# Altium PCB Motherboard PCB.PcbDoc (part 3 of 3)
Units mm, origin at the board's own origin, x right, y up, seen from the top; angles counter-clockwise.
Board outline 224.71 x 151.45 mm, 4 copper layers (Top Layer 1, Top Layer, Bottom Layer, Bottom Layer 1), stack 0.812 mm thick; 63 components, 127 nets, 504 pads, 652 vias.
Unrouted connection lines stored in the file: 1.
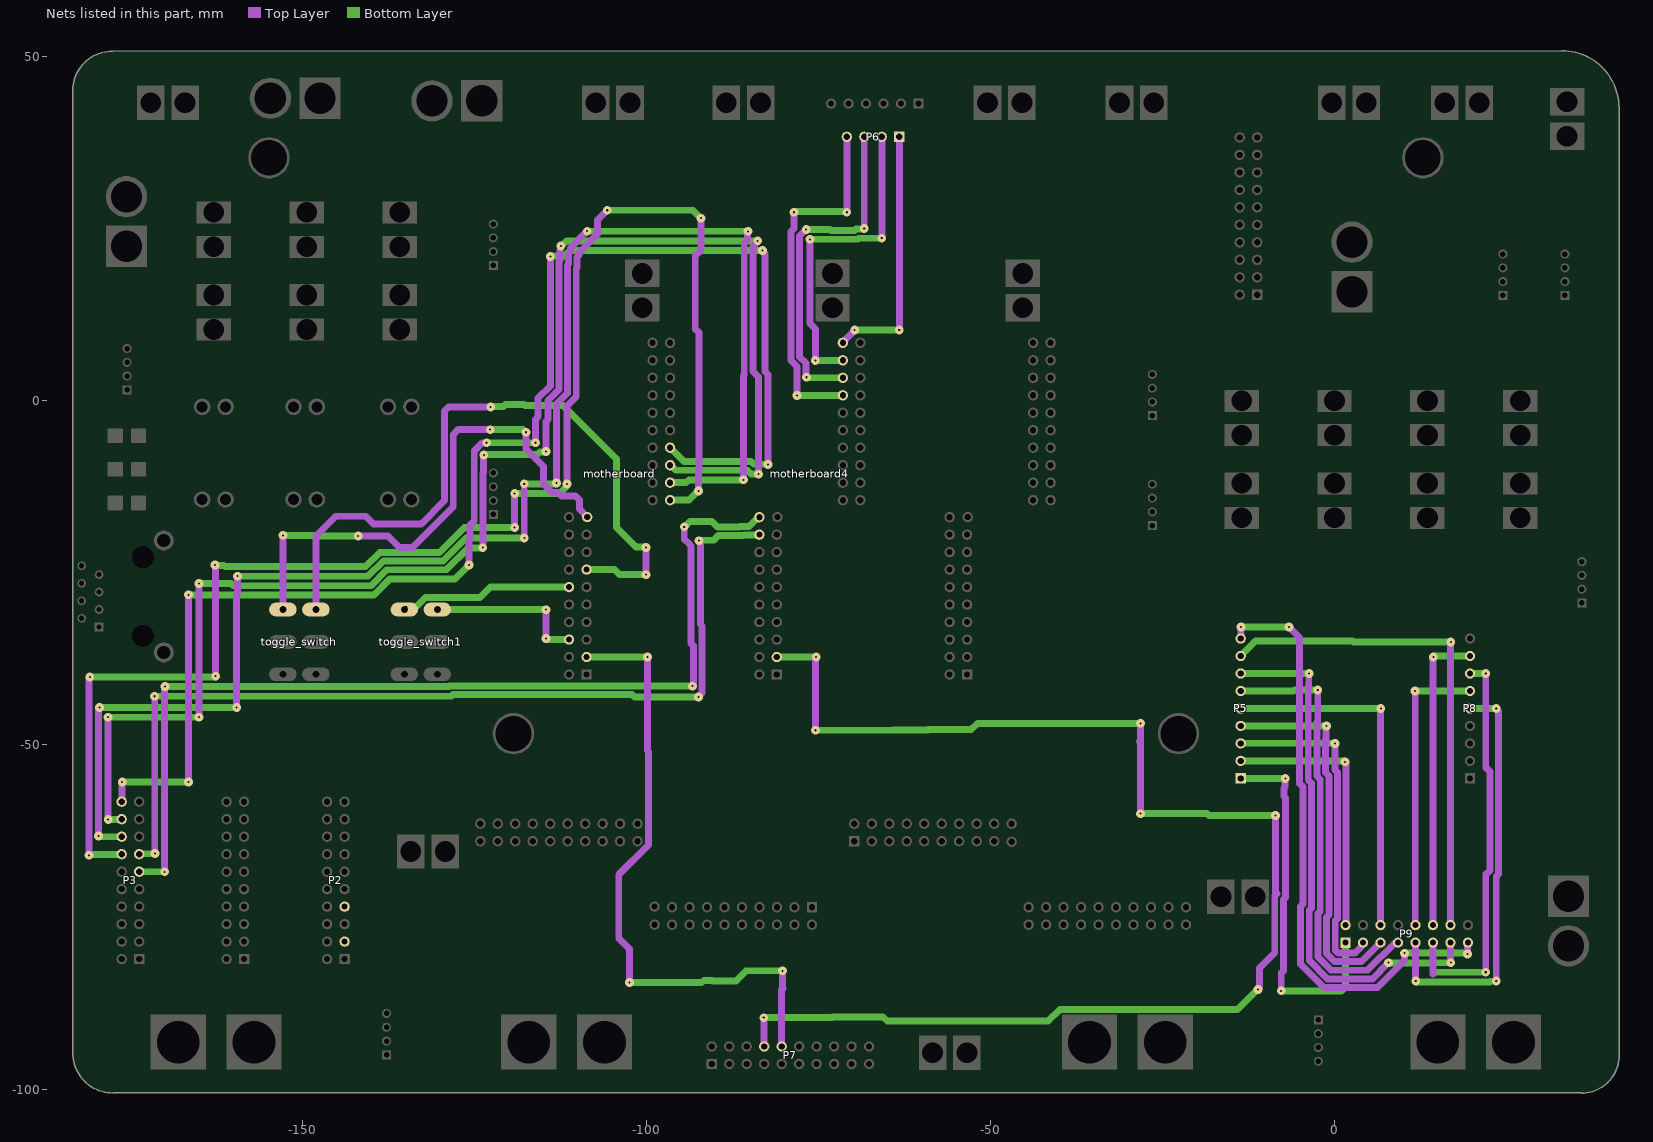
[diagram p5: the nets of this part, all layers, seen from the top]

## Via types
v1: diameter 1.27, hole 0.3, Top Layer to Bottom Layer, 501 vias
v2: diameter 1.27, hole 0.711, Top Layer 1 to Bottom Layer 1, 149 vias
v3: diameter 1.27, hole 0.3, Top Layer 1 to Bottom Layer 1, 2 vias

## Nets (pads, with @x,y where several pads share a name; then routed paths per layer and width w, separated by ;. In a path a pad name is that pad's centre, name@x,y a point inside that pad or via, vN(x,y) a via of type N, cw(c..) or ccw(c..) an arc to the next point about the centre after c; other vN are vias at no path point) (continued)
Netmotherboard4_3: motherboard4.3 P7.8 | length 201.9
  Top Layer w1: v1(-82.931,-89.622) -82.899,-89.654 -82.899,-93.783 P7.8@-82.867,-93.815 ; v1(-75.423,-47.871) -75.423,-37.396 -75.311,-37.284 v1(-75.311,-37.211) ; v1(-28.202,-59.985) -28.202,-49.626 -28.33,-49.498 -28.202,-49.37 v1(-28.202,-46.863) ; v1(-11.127,-85.53) -11.127,-85.456 -10.922,-85.251 -10.922,-82.423 -8.682,-80.183 -8.682,-71.923 -8.382,-71.623 -8.58,-71.425 v1(-8.58,-60.254)
  Bottom Layer w1: v1(-82.931,-89.622) -73.044,-89.622 -72.965,-89.543 -65.578,-89.543 -64.983,-90.138 -41.624,-90.138 -39.912,-88.426 -38.154,-88.426 -14.097,-88.426 -11.2,-85.53 v1(-11.127,-85.53) ; motherboard4.3@-81.224,-37.211 v1(-75.311,-37.211) ; v1(-75.423,-47.871) -64.123,-47.871 -64.066,-47.814 -59.092,-47.814 -59.062,-47.784 -52.809,-47.784 -51.896,-46.871 -28.21,-46.871 v1(-28.202,-46.863) ; v1(-28.202,-59.985) -18.525,-59.985 -18.256,-60.254 v1(-8.58,-60.254)
Netmotherboard4_18: motherboard4.18 P3.13 | length 136.7
  Top Layer w1: v1(-171.45,-42.926) -171.408,-42.968 -171.408,-65.726 v1(-171.366,-65.768) ; v1(-92.4,-43.035) -92.4,-42.962 -91.9,-42.462 -91.9,-32.709 -92.138,-32.471 -92.138,-20.584 -92.329,-20.393 v1(-92.329,-20.32)
  Bottom Layer w1: P3.13@-173.672,-65.875 -173.617,-65.82 -171.418,-65.82 v1(-171.366,-65.768) ; v1(-171.45,-42.926) -128.291,-42.926 -128.059,-42.694 -102.038,-42.694 -101.697,-43.035 v1(-92.4,-43.035) ; v1(-92.329,-20.32) -92.277,-20.268 -90.23,-20.268 -89.54,-19.578 -85.892,-19.578 -85.819,-19.505 -83.674,-19.505 motherboard4.18@-83.619,-19.45
Netmotherboard4_20: motherboard4.20 P3.11 | length 143.1
  Top Layer w1: v1(-169.977,-68.435) -169.977,-41.58 v1(-169.926,-41.529) ; v1(-94.485,-18.319) -94.485,-20.078 -93.729,-20.835 -93.729,-20.885 -93.488,-21.125 -93.488,-35.263 -93.154,-35.597 -93.154,-41.134 -93.237,-41.217 -93.237,-41.408 v1(-93.289,-41.459)
  Bottom Layer w1: P3.11@-173.672,-68.415 -173.662,-68.425 -169.987,-68.425 v1(-169.977,-68.435) ; v1(-169.926,-41.529) -128.667,-41.529 -128.578,-41.44 -93.308,-41.44 v1(-93.289,-41.459) ; v1(-94.485,-18.319) -94.458,-18.319 -93.652,-17.513 -90.438,-17.513 -89.627,-18.324 -86.412,-18.324 -86.338,-18.251 -85.046,-18.251 motherboard4.20@-83.704,-16.91
Netmotherboard4_34: motherboard4.34 P6.4 | length 52.5
  Top Layer w1: v1(-78.534,27.393) -78.534,25.023 -78.962,24.595 -78.962,5.827 -78.105,4.97 v1(-78.105,0.762) ; v1(-70.866,27.393) -70.835,27.423 P6.4@-70.835,38.354
  Bottom Layer w1: v1(-78.534,27.393) -78.461,27.393 -78.326,27.528 -71.192,27.528 -71.109,27.445 -70.918,27.445 v1(-70.866,27.393) ; v1(-78.105,0.762) motherboard4.34@-71.475,0.762
Netmotherboard4_36: motherboard4.36 P6.3 | length 49.5
  Top Layer w1: v1(-76.764,24.885) -76.764,24.881 -77.708,23.938 -77.708,6.347 -76.819,5.458 -76.819,5.267 -76.768,5.215 -76.768,3.473 v1(-76.716,3.421) ; v1(-68.326,25.019) P6.3@-68.326,38.354
  Bottom Layer w1: v1(-76.764,24.885) -73.29,24.885 -73.155,24.75 -69.771,24.75 -69.554,24.967 -68.378,24.967 v1(-68.326,25.019) ; v1(-76.716,3.421) -76.643,3.421 -76.562,3.34 motherboard4.36@-71.437,3.34
Netmotherboard4_38: motherboard4.38 P6.2 | length 47.1
  Top Layer w1: v1(-76.22,23.462) -76.22,11.216 -75.43,10.427 v1(-75.43,5.842) ; v1(-65.786,23.622) -65.771,23.637 P6.2@-65.771,38.354
  Bottom Layer w1: v1(-76.22,23.462) -69.286,23.462 -69.126,23.622 v1(-65.786,23.622) ; v1(-75.43,5.842) motherboard4.38@-71.475,5.842
Netmotherboard4_40: motherboard4.40 P6.1 | length 37.1
  Top Layer w1: motherboard4.40@-71.264,8.573 -71.314,8.623 -69.723,10.214 v1(-69.723,10.287) ; v1(-63.246,10.287) -63.231,10.302 -63.231,38.354 P6.1@-63.231,38.481
  Bottom Layer w1: v1(-69.723,10.287) v1(-63.246,10.287)
Netmotherboard_3: motherboard.3 P7.10 | length 92.8
  Top Layer w1: v1(-102.436,-84.529) -102.436,-79.618 -104.005,-78.049 -104.005,-68.864 -99.694,-64.553 -99.694,-50.99 -99.829,-50.855 v1(-99.829,-37.219) ; P7.10@-80.327,-93.815 -80.327,-85.59 -80.137,-85.4 -80.197,-85.34 v1(-80.197,-82.82)
  Bottom Layer w1: motherboard.3@-108.657,-37.211 -108.648,-37.22 -99.831,-37.22 v1(-99.829,-37.219) ; v1(-102.436,-84.529) -91.962,-84.529 -91.634,-84.201 -90.484,-84.201 -90.373,-84.312 -86.979,-84.312 -85.487,-82.82 v1(-80.197,-82.82)
Netmotherboard_6: motherboard.6 toggle_switch1.4 | length 23.5
  Top Layer w1: v1@-114.554,-34.671 v1(-114.554,-34.544) v1(-114.554,-30.353)
  Bottom Layer w1: toggle_switch1.4@-130.353,-30.334 -114.573,-30.334 v1(-114.554,-30.353) ; v1(-114.554,-34.544) -114.481,-34.544 -114.335,-34.69 motherboard.6@-111.216,-34.69
Netmotherboard_12: motherboard.12 toggle_switch1.1 | length 25.5
  Top Layer w1: toggle_switch1.1@-135.153,-30.334 -135.153,-30.248 v1(-134.874,-29.969)
  Bottom Layer w1: v1(-134.874,-29.969) -134.7,-30.143 -133.691,-30.143 -133.267,-29.719 -133.219,-29.719 -132.08,-28.58 -124.163,-28.58 -122.653,-27.07 motherboard.12@-111.216,-27.07
Netmotherboard_13: motherboard.13 toggle_switch.4 | length 102.5
  Top Layer w1: toggle_switch.4@-147.993,-30.334 -147.993,-19.681 -145.086,-16.774 -140.78,-16.774 -139.661,-17.893 -132.686,-17.893 -129.294,-14.501 -129.294,-1.475 -128.708,-0.889 v1(-122.611,-0.889) ; v1(-100.028,-25.265) -100.028,-21.326 v1(-100.021,-21.319)
  Bottom Layer w1: v1(-122.611,-0.889) -122.559,-0.837 -120.761,-0.837 -120.463,-0.54 -117.764,-0.54 -117.629,-0.675 -112.11,-0.675 -104.35,-8.435 -104.35,-18.408 -101.49,-21.268 -100.073,-21.268 v1(-100.021,-21.319) ; motherboard.13@-108.676,-24.53 -104.621,-24.53 -103.886,-25.265 v1(-100.028,-25.265)
Netmotherboard_19: motherboard.19 toggle_switch.1 | length 77.9
  Top Layer w1: toggle_switch.1@-152.793,-30.334 -152.787,-30.328 -152.787,-19.558 v1(-152.781,-19.552) ; v1(-141.854,-19.663) -137.528,-19.663 -135.869,-21.322 -133.979,-21.322 -128.04,-15.383 -128.04,-4.912 -127.319,-4.191 v1(-122.682,-4.191) ; v1(-117.475,-4.572) -117.475,-6.985 -114.943,-9.517 -114.943,-12.057 -113.681,-13.319 -112.86,-13.319 -112.336,-13.843 -110.309,-13.843 -109.723,-14.429 -109.723,-15.719 -108.584,-16.858 motherboard.19@-108.584,-16.898
  Bottom Layer w1: v1(-152.781,-19.552) -147.799,-19.552 -147.688,-19.663 v1(-141.854,-19.663) ; v1(-122.682,-4.191) -117.929,-4.191 -117.548,-4.572 v1(-117.475,-4.572)
Netmotherboard_21: motherboard.21 P3.14 | length 225.9
  Top Layer w1: v1(-180.975,-66.04) -180.975,-40.332 -180.848,-40.205 v1(-180.848,-40.132) ; v1(-162.658,-23.862) -162.658,-23.935 -162.56,-24.033 v1@-162.56,-40.13 ; v1(-119.126,-13.462) -119.122,-13.466 -119.122,-18.411 v1(-119.118,-18.415) ; v1(-111.515,-12.091) -111.515,-0.76 -110.173,0.581 -110.173,19.209 -110.038,19.344 -110.038,20.895 -109.768,21.165 -109.768,21.491 -107.061,24.198 -107.061,26.289 v1(-105.664,27.686) ; v1(-92.397,-13.097) -92.397,-10.514 -92.345,-10.462 -92.345,9.895 -92.885,10.435 -92.885,21.021 -92.04,21.866 v1(-92.04,26.529)
  Bottom Layer w1: v1(-180.975,-66.04) -180.902,-66.04 -180.756,-65.894 -176.443,-65.894 -176.424,-65.875 P3.14@-176.212,-65.875 ; v1(-180.848,-40.132) v1@-162.56,-40.132 ; v1(-162.658,-23.862) -162.606,-23.914 -161.386,-23.914 -161.199,-24.1 -140.78,-24.1 -138.716,-22.036 -130.058,-22.036 -126.437,-18.415 v1(-119.118,-18.415) ; v1(-119.126,-13.462) -112.598,-13.462 -111.566,-12.431 -111.566,-12.143 v1(-111.515,-12.091) ; v1(-105.664,27.686) -93.27,27.686 -92.113,26.529 v1(-92.04,26.529) ; motherboard.21@-96.544,-14.44 -93.814,-14.44 -92.47,-13.097 v1(-92.397,-13.097)
  other v1: -162.56,-40.005
Netmotherboard_23: motherboard.23 P3.16 | length 226.8
  Top Layer w1: v1(-179.578,-63.246) -179.578,-44.777 -179.451,-44.65 v1(-179.451,-44.577) ; v1(-159.512,-44.577) -159.512,-28.124 -159.385,-27.997 v1(-159.385,-25.489) ; v1@-117.729,-19.931 v1(-117.729,-12.065) ; v1(-113.03,-11.93) -113.03,-0.502 -111.427,1.101 -111.427,19.729 -111.292,19.864 -111.292,21.414 -111.022,21.684 -111.022,22.201 v1(-108.585,24.638) ; v1(-85.857,-11.49) -85.857,3.653 -85.756,3.754 -85.756,22.939 -85.269,23.426 -85.269,24.563 v1(-85.217,24.615)
  Bottom Layer w1: v1(-179.578,-63.246) -179.505,-63.246 -179.416,-63.335 P3.16@-176.212,-63.335 ; v1(-179.451,-44.577) v1(-159.512,-44.577) ; v1(-159.385,-25.489) -140.395,-25.489 -138.196,-23.29 -129.538,-23.29 -126.187,-19.939 v1(-117.721,-19.939) ; v1(-117.729,-12.065) -113.238,-12.065 -113.103,-11.93 v1(-113.03,-11.93) ; v1(-108.585,24.638) -85.24,24.638 v1(-85.217,24.615) ; motherboard.23@-96.544,-11.9 -94.211,-11.9 -93.802,-11.49 v1(-85.857,-11.49)
Netmotherboard_25: motherboard.25 P3.18 | length 223.5
  Top Layer w1: v1(-178.189,-45.974) -178.189,-60.825 v1(-178.181,-60.833) ; v1(-164.973,-45.973) v1(-164.973,-26.543) ; v1(-123.738,-21.336) -123.738,-10.509 -123.633,-10.404 -123.633,-7.91 v1(-123.597,-7.874) ; v1(-114.554,-7.366) -114.554,-2.976 -114.284,-2.706 -114.284,0.017 -112.681,1.62 -112.681,20.248 -112.546,20.383 -112.546,21.933 -112.463,22.017 -112.463,22.431 v1(-112.411,22.482) ; v1(-83.82,23.241) -83.872,23.189 -83.872,23.05 -84.502,22.419 -84.502,4.273 -83.715,3.486 -83.715,-10.646 v1(-83.693,-10.668)
  Bottom Layer w1: v1(-178.189,-45.974) v1(-164.973,-45.973) ; v1(-178.181,-60.833) -178.162,-60.814 -176.231,-60.814 P3.18@-176.212,-60.795 ; v1(-164.973,-26.543) -160.295,-26.543 -159.96,-26.878 -140.011,-26.878 -137.677,-24.544 -129.019,-24.544 -125.863,-21.388 -123.79,-21.388 v1(-123.738,-21.336) ; v1(-123.597,-7.874) -123.553,-7.83 -115.848,-7.83 -115.435,-7.418 -114.606,-7.418 v1(-114.554,-7.366) ; v1(-112.411,22.482) -112.338,22.482 -111.594,23.226 -83.835,23.226 v1(-83.82,23.241) ; motherboard.25@-96.544,-9.36 -96.409,-9.36 -95.668,-10.101 -85.282,-10.101 -84.766,-10.616 -83.745,-10.616 v1(-83.693,-10.668)
Netmotherboard_27: motherboard.27 P3.20 | length 214.5
  Top Layer w1: P3.20@-176.212,-58.255 -176.18,-58.223 -176.18,-55.403 v1(-176.149,-55.372) ; v1(-166.497,-28.194) -166.497,-55.247 v1@-166.372,-55.372 ; v1(-125.761,-23.868) -125.761,-20.211 -125.603,-20.053 -125.603,-18.069 -124.992,-17.458 -124.992,-7.305 -123.835,-6.148 -123.242,-6.148 v1(-123.19,-6.096) ; v1(-116.078,-6.096) -116.078,-2.726 -115.705,-2.353 -115.705,0.37 -113.935,2.14 v1(-113.935,20.958) ; v1(-83.113,21.844) -83.113,21.771 -82.724,21.382 -82.724,4.269 -82.288,3.833 -82.288,-9.233 v1(-82.326,-9.271)
  Bottom Layer w1: v1(-176.149,-55.372) v1(-166.497,-55.372) ; v1(-166.497,-28.194) -139.553,-28.194 -137.269,-25.91 -127.803,-25.91 v1(-125.761,-23.868) ; v1(-123.19,-6.096) v1(-116.078,-6.096) ; v1(-113.935,20.958) -113.883,21.01 -111.919,21.01 -111.085,21.844 v1(-83.113,21.844) ; motherboard.27@-96.544,-6.82 -94.517,-8.847 -84.762,-8.847 -84.39,-9.219 -82.378,-9.219 v1(-82.326,-9.271)
NetP2_3: P2.3
NetP2_7: P2.7
NetP5_1: P5.1 P9.1 | length 53.8
  Top Layer w1: v1(-7.747,-85.725) -7.747,-83.155 -7.428,-82.836 -7.428,-72.443 -7.128,-72.142 -7.128,-57.699 -7.366,-57.461 -7.366,-56.251 -7.196,-56.08 -7.196,-54.916 v1(-7.144,-54.864)
  Bottom Layer w1: P5.1@-13.622,-54.864 v1(-7.144,-54.864) ; v1(-7.747,-85.725) -7.739,-85.733 1.014,-85.733 1.6,-85.147 P9.1@1.6,-78.722
NetP5_2: P5.2 P9.2 | length 39.1
  Top Layer w1: v1(1.524,-52.451) 1.524,-52.524 1.682,-52.682 1.682,-76.1 P9.2@1.6,-76.182
  Bottom Layer w1: P5.2@-13.64,-52.306 -13.418,-52.306 -13.409,-52.315 1.315,-52.315 1.451,-52.451 v1(1.524,-52.451)
NetP5_3: P5.3 P9.3 | length 49
  Top Layer w1: v1(0.071,-49.784) 0.071,-53.64 0.428,-53.997 0.428,-75.227 0.096,-75.559 0.096,-79.784 0.538,-80.226 2.959,-80.226 3.89,-79.295 3.89,-79.107 4.14,-78.857 P9.3@4.14,-78.722
  Bottom Layer w1: P5.3@-13.64,-49.766 0.053,-49.766 v1(0.071,-49.784)
NetP5_4: P5.4 P9.5 | length 55.4
  Top Layer w1: v1(-1.183,-47.244) -1.235,-47.296 -1.235,-49.125 -1.318,-49.209 -1.318,-54.024 -0.826,-54.516 -0.826,-74.708 -1.158,-75.04 -1.158,-80.304 0.018,-81.48 3.889,-81.48 6.647,-78.722 P9.5@6.68,-78.722
  Bottom Layer w1: P5.4@-13.64,-47.226 -1.201,-47.226 v1(-1.183,-47.244)
NetP5_5: P5.5 P9.6 | length 51.9
  Top Layer w1: P9.6@6.68,-76.182 6.706,-76.156 6.706,-44.73 v1(6.731,-44.704)
  Bottom Layer w1: P5.5@-13.64,-44.686 -13.631,-44.695 6.722,-44.695 v1(6.731,-44.704)
NetP5_6: P5.6 P9.7 | length 64.5
  Top Layer w1: v1(-2.437,-42.037) -2.437,-46.534 -2.572,-46.669 -2.572,-54.544 -2.08,-55.036 -2.08,-74.188 -2.412,-74.52 -2.412,-80.823 -0.501,-82.734 4.795,-82.734 8.711,-78.818 9.124,-78.818 P9.7@9.22,-78.722
  Bottom Layer w1: P5.6@-13.64,-42.146 -5.945,-42.146 -5.836,-42.037 v1(-2.437,-42.037)
NetP5_7: P5.7 P9.13 | length 77.7
  Top Layer w1: v1(-3.691,-39.624) -3.743,-39.676 -3.743,-41.378 -3.826,-41.462 -3.826,-55.063 -3.334,-55.555 -3.334,-73.669 -3.666,-74.001 -3.666,-81.343 -1.021,-83.988 5.505,-83.988 v1(7.853,-81.64) ; P9.13@16.84,-78.722 16.866,-78.747 16.866,-81.618 v1(16.891,-81.644)
  Bottom Layer w1: P5.7@-13.622,-39.624 v1(-3.691,-39.624) ; v1(7.853,-81.64) 7.874,-81.661 14.256,-81.661 14.374,-81.779 14.509,-81.644 v1(16.891,-81.644)
NetP5_8: P5.8 P9.14 | length 72.6
  Top Layer w1: P9.14@16.84,-76.182 16.866,-76.156 16.866,-35.078 v1(16.891,-35.052)
  Bottom Layer w1: P5.8@-13.634,-37.066 -13.525,-36.957 -13.513,-36.957 -11.481,-34.925 2.605,-34.925 2.732,-35.052 v1(16.891,-35.052)
NetP5_9: P5.9 P9.15 | length 88.8
  Top Layer w1: P5.9@-13.64,-34.526 -13.614,-34.5 -13.614,-32.911 v1(-13.589,-32.885) ; v1(-6.604,-32.885) -5.08,-34.409 -5.08,-55.583 -4.588,-56.075 -4.588,-73.149 -4.92,-73.481 -4.92,-81.862 -1.54,-85.242 6.216,-85.242 10.16,-81.298 v1@10.16,-80.389 ; v1(19.304,-80.391) 19.342,-80.353 19.342,-78.76 P9.15@19.38,-78.722 P9.15@19.476,-78.818
  Bottom Layer w1: P5.9@-13.64,-34.526 P5.9@-13.505,-34.526 ; v1(-13.589,-32.885) v1(-6.604,-32.885) ; v1(10.16,-80.264) 10.169,-80.255 19.095,-80.255 19.231,-80.391 v1(19.304,-80.391)
NetP8_5: P8.5 P9.9 | length 61.1
  Top Layer w1: P9.9@11.76,-78.722 11.779,-78.741 11.779,-84.267 v1(11.798,-84.287) ; v1(23.495,-84.287) 23.495,-69.092 23.82,-68.767 23.82,-45.102 23.495,-44.777 v1(23.495,-44.704)
  Bottom Layer w1: v1(11.798,-84.287) 11.871,-84.287 12.006,-84.422 22.546,-84.422 22.63,-84.338 23.443,-84.338 v1(23.495,-84.287) ; P8.5@19.685,-44.704 v1(23.495,-44.704)
NetP8_6: P8.6 P9.10 | length 42.1
  Top Layer w1: v1(11.684,-42.164) 11.722,-42.202 11.722,-76.144 P9.10@11.76,-76.182
  Bottom Layer w1: v1(11.684,-42.164) P8.6@19.685,-42.164
NetP8_7: P8.7 P9.11 | length 58.3
  Top Layer w1: P9.11@14.3,-78.722 14.326,-78.747 14.326,-83.286 14.351,-83.312 ; v1(21.971,-83.033) 21.971,-68.842 22.566,-68.247 22.566,-53.85 21.971,-53.255 v1(21.971,-39.624)
  Bottom Layer w1: 14.44,-83.033 v1(21.971,-83.033) ; P8.7@19.685,-39.624 v1(21.971,-39.624)
NetP8_8: P8.8 P9.12 | length 44.4
  Top Layer w1: P9.12@14.3,-76.182 14.326,-76.156 14.326,-37.237 v1(14.351,-37.211)
  Bottom Layer w1: v1(14.351,-37.211) 14.424,-37.211 14.551,-37.084 P8.8@19.685,-37.084
pads on no net: 1.MH_NP_6mm 2.MH_NP_6mm 3.MH_NP_6mm 4.MH_NP_6mm J1.3 J2.3 J15.3 J16.3 J17.3 J18.3 J19.3 J20.3 J21. J21.4 J21.5 J21.6 J21.7 J21.8 J22.3 J.3 motherboard1.6 motherboard1.8 motherboard1.9 motherboard1.10 motherboard1.11 motherboard1.22 motherboard1.23 motherboard1.24 motherboard1.25 motherboard1.26 motherboard1.27 motherboard1.28 motherboard1.29 motherboard1.30 motherboard1.31 motherboard1.32 motherboard1.33 motherboard1.34 motherboard1.35 motherboard1.36 motherboard1.37 motherboard1.38 motherboard1.39 motherboard1.40 motherboard2.6 motherboard2.10 motherboard2.12 motherboard2.20 motherboard2.22 motherboard2.24 motherboard2.28 motherboard2.37 motherboard2.38 motherboard2.39 motherboard2.40 motherboard3.8 motherboard3.9 motherboard3.10 motherboard3.11 motherboard3.13 motherboard3.20 motherboard3.24 motherboard3.28 motherboard3.29 motherboard3.31 motherboard4.2 motherboard4.4 motherboard4.8 motherboard4.10 motherboard4.12 motherboard4.14 motherboard4.16 motherboard4.22 motherboard4.24 motherboard4.26 motherboard4.28 motherboard4.30 motherboard4.31 motherboard4.32 motherboard4.33 motherboard.1 motherboard.2 motherboard.4 motherboard.5 motherboard.7 motherboard.8 motherboard.9 motherboard.10 motherboard.11 motherboard.14 motherboard.15 motherboard.16 motherboard.17 motherboard.18 motherboard.20 motherboard.22 motherboard.24 motherboard.26 motherboard.28 motherboard.29 motherboard.30 motherboard.31 motherboard.32 motherboard.33 motherboard.34 motherboard.35 motherboard.36 motherboard.37 motherboard.38 motherboard.39 motherboard.40 P3.1 P3.2 P3.3 P3.4 P3.5 P3.6 P3.7 P3.8 P3.9 P3.10 P3.12 P3.15 P3.17 P3.19 P4.1 P4.2 P4.3 P4.4 P4.5 P4.6 P4.7 P4.8 P4.9 P4.10 P4.11 P4.13 P4.14 P4.15 P4.17 P4.18 P4.19 P7.4 P7.9 P7.12 P7.14 P7.15 P7.17 P7.20 P8.9
copper on no net: | length 0.1
  Top Layer w1: -59.614,-61.45 -59.614,-61.315

## Polygon pours and split planes (outlines as drawn)
NetF1_1_1 on Top Layer 1 "NETF1_1_1_L01_P043" (solid, pour order 43): -89.309,3.683 -57.658,3.683 -57.658,-57.658 -5.334,-57.658 -5.334,-100.287 -139.065,-100.287 -139.065,-53.848 -95.885,-53.848 -95.885,3.683
NetF1_1_1 on Top Layer 1 "NETF1_1_1_L01_P039" (solid, pour order 39): -95.631,3.683 -57.785,3.683 -57.785,20.955 -35.306,20.955 -35.306,-27.686 41.402,-27.686 41.402,50.292 41.529,50.419 41.275,50.673 -183.007,50.673 -183.007,-27.686 -108.712,-27.686 -108.712,22.606 -95.631,22.606
NetJ17_4 on Top Layer 1 "NETJ17_4_L01_P042" (solid, pour order 42): -57.404,20.955 -36.449,20.955 -36.449,-27.686 41.402,-27.686 41.402,-100.33 41.148,-100.584 -5.334,-100.584 -5.334,-57.658 -57.404,-57.658
NetJ17_4 on Top Layer 1 "NETJ17_4_L01_P040" (solid, pour order 40): -108.585,22.352 -95.758,22.352 -95.758,-53.848 -138.811,-53.848 -138.938,-53.721 -139.065,-53.848 -139.065,-100.711 -182.626,-100.711 -183.388,-99.949 -183.261,-99.822 -183.261,-29.464 -108.585,-29.464
NetF1_1_1 on Top Layer 1 "NETF1_1_1_L01_P010" (solid, pour order 10): -168.881,-9.892 -129.638,-9.892 -129.638,-21.068 -129.765,-21.068 -168.881,-21.068
NetJ12_P on Top Layer 1 "NETJ12_P_L01_P045" (solid, pour order 45): -142.249,50.478 -141.927,50.8 -116.713,50.8 -116.713,38.354 -116.84,38.227 -116.967,38.354 -127.889,38.354 -127.889,18.034 -127.903,18.048 -142.249,18.048 -142.249,50.478 -142.339,50.568
NetJ14_P on Top Layer 1 "NETJ14_P_L01_P034" (solid, pour order 34): -5.47,28.589 8.119,28.589 8.119,-8.495 -5.597,-8.495 -5.597,28.589
NetF1_1_1 on Top Layer 1 "NETF1_1_1_L01_P024" (solid, pour order 24): 39.107,-14.591 39.107,-27.672 -21.599,-27.672 -21.599,-14.591
NetJ11_P on Top Layer 1 "NETJ11_P_L01_P020" (solid, pour order 20): -142.249,50.814 -142.249,18.048 -158.378,18.048 -158.378,50.814 -151.52,50.814
NetJ13_P on Top Layer 1 "NETJ13_P_L01_P018" (solid, pour order 18): -183.27,34.558 -158.378,34.558 -158.378,18.048 -183.27,18.048
NetF2_2_1 on Top Layer 1 "NETF2_2_1_L01_P014" (solid, pour order 14): -143.481,12.714 -125.32,12.714 -125.32,-4.304 -143.354,-4.304 -143.481,-4.431
NetF1_2_1 on Top Layer 1 "NETF1_2_1_L01_P013" (solid, pour order 13): -156.435,12.714 -143.481,12.714 -143.481,11.952 -143.481,-4.431 -156.435,-4.431
NetF3_2_1 on Top Layer 1 "NETF3_2_1_L01_P012" (solid, pour order 12): -172.056,12.714 -157.324,12.714 -157.324,-4.431 -172.056,-4.431
NetF1_1_1 on Bottom Layer 1 "NETF1_1_1_L04_P025" (solid, pour order 25): -21.599,-14.591 33.02,-14.591 33.02,-22.846 -21.599,-22.846
GND on Bottom Layer 1 "GND_L04_P047" (solid, pour order 47): -181.991,50.8 -182.118,50.8 41.529,50.8 41.402,50.673 41.402,-100.584 -183.388,-100.584 -183.388,50.8 -181.737,50.8
NetJ17_4 on Bottom Layer 1 "NETJ17_4_L04_P046" (solid, pour order 46): -103.338,15.754 -92.97,15.754 -92.964,15.748 -92.964,9.144 -116.459,9.144 -116.459,10.287 -116.459,38.862 -26.416,38.862 -26.416,9.144 -52.197,9.144 -52.197,15.748 -37.592,15.748 -37.084,15.24 -36.83,15.494 -36.83,31.877 -105.156,31.877 -105.156,15.748 -103.344,15.748
NetJ14_N on Bottom Layer 1 "NETJ14_N_L04_P035" (solid, pour order 35): -5.597,28.589 8.119,28.589 8.119,-6.35 -5.597,-6.35
NetJ11_N on Bottom Layer 1 "NETJ11_N_L04_P021" (solid, pour order 21): -160.791,50.814 -144.281,50.814 -144.281,22.366 -160.791,22.366
NetJ12_N on Bottom Layer 1 "NETJ12_N_L04_P023" (solid, pour order 23): -124.977,50.814 -124.977,22.366 -142.249,22.366 -142.249,50.814
NetJ13_N on Bottom Layer 1 "NETJ13_N_L04_P019" (solid, pour order 19): -158.378,34.558 -158.378,22.366 -183.143,22.366 -183.143,34.558
NetF2_2_1 on Bottom Layer 1 "NETF2_2_1_L04_P017" (solid, pour order 17): -141.487,12.714 -125.231,12.714 -125.231,4.078 -141.487,4.078
NetF1_2_1 on Bottom Layer 1 "NETF1_2_1_L04_P016" (solid, pour order 16): -155.33,12.714 -143.392,12.714 -143.392,3.951 -155.33,3.951
NetF3_2_1 on Bottom Layer 1 "NETF3_2_1_L04_P015" (solid, pour order 15): -172.094,12.714 -157.235,12.714 -157.235,4.078 -171.967,4.078 -172.094,4.205
NetF1_1_1 on Bottom Layer 1 "NETF1_1_1_L04_P011" (solid, pour order 11): -168.881,-9.892 -129.638,-9.892 -129.638,-21.068 -168.881,-21.068

## Silkscreen, mask and mechanical layers (free items; w line width, h text height)
Top Overlay:
  drawing of 119 lines, arcs and shapes, not listed
  text "swivel/auger" at -159.639,48.895 h1.52
  text "MA" at -125.222,48.514 h1.52
  text "gnd" at -52.578,48.387 h1.52
  text "gnd" at 31.75,48.26 h1.52
  text "gnd" at -33.401,48.006 h1.52
  text "gnd" at -90.551,47.879 h1.52
  text "gnd" at -109.855,47.625 h1.52
  text "tray" at -73.406,47.244 h1.52
  text "gnd" at -65.151,45.212 h1.52 r90
  text "EA" at -61.595,45.085 h1.52 r90
  text "EB" at -58.801,44.958 h1.52 r90
  text "gnd" at -180.34,42.799 h1.52
  text "gnd" at 10.795,41.275 h1.52 r90
  text "encoders" at -17.653,41.148 h1.52
  text "solenoid drain" at -0.258,38.477 h0.7
  text "LS_L1/auger_up" at 15.621,38.46 h0.7
  text "LS_stow/auger_extra" at -33.301,38.24 h0.5
  text "left_grip_M-" at -20.982,37.986 h0.5
  text "grip/tray_right_ea" at -9.425,37.986 h0.5
  text "LS_L2/suite_down" at -177.319,37.732 h1
  text "2B" at -75.819,37.719 h1.52
  text "pump2" at -108.331,37.465 h1.52
  text "pump1" at -89.535,37.465 h1.52
  text "LS_L1/auger_down" at -60.325,37.338 h1.52
  text "MA" at -148.59,36.83 h1.52
  text "link1/spin" at -134.493,36.83 h1.52
  text "LS_L2/suite_up" at 29.231,36.576 h0.7 r90
  text "left_grip_M-" at -20.982,35.573 h0.5
  text "grip/tray_right_eb" at -9.425,35.573 h0.5
  text "1B" at -66.421,35.052 h1.52
  text "2A" at -70.231,34.925 h1.52
  text "1A" at -62.484,34.925 h1.52
  text "left_grip_M+" at -21.109,33.16 h0.5
  text "grip/tray_left_eb" at -9.552,33.033 h0.5
  text "stepper" at -71.628,32.512 h1.52
  text "ARM" at 18.923,31.115 h1.52
  text "H.M.R Designs" at -105.537,30.607 h1.52
  text "left_grip_M+" at -21.109,30.62 h0.5
  text "grip/tray_left_ea" at -9.552,30.62 h0.5
  text "link2/suite" at -124.841,28.702 h0.7
  text "grip_eb" at -9.552,28.207 h0.5
  text "right_grip_M+" at -21.617,27.826 h0.5
  text "gnd" at -118.772,25.667 h0.5
  text "right_grip_M+" at -21.617,25.413 h0.5
  text "grip_ea" at -9.552,25.413 h0.5
  text "Gripper_MD" at 22.733,25.4 h1.52
  text "grip_M-" at -9.552,22.873 h0.5
  text "right_grip_M-" at -21.617,22.746 h0.5
  text "pwm" at -118.772,21.603 h0.5
  text "gnd" at 37.057,21.349 h0.5
  text "5V" at 28.04,21.055 h0.5
  text "grip_M-" at -9.552,20.46 h0.5
  text "right_grip_M-" at -21.617,20.206 h0.5
  text "dir" at -118.772,19.277 h0.5
  text "link2/suite" at -180.721,18.415 h1.52 r90
  text "gnd" at -17.172,17.793 h0.5
  text "grip_M+" at -9.552,17.793 h0.5
  text "pwm" at 37.057,17.158 h0.5
  text "scl" at 28.04,17.118 h0.5
  text "I2C" at 21.082,17.018 h1.52 r90
  text "gnd" at -67.056,16.637 h1.52 r90
  text "gnd" at -94.488,16.256 h1.52 r90
  text "gnd" at -39.624,16.002 h1.52 r90
  text "grip_M+" at -9.552,15.253 h0.5
  text "5V" at -16.791,15.213 h0.5
  text "dir" at 37.184,15.086 h0.5
  text "sda" at 28.04,14.959 h0.5
  text "link1/spin" at -140.187,14.732 h0.7 r90
  text "link2/suite" at -167.513,14.605 h0.7 r90
  text "gnd" at -131.064,14.605 h1.52
  text "MA" at -2.54,14.478 h1.52 r90
  text "AllenKey" at 9.779,14.478 h1.52 r90
  text "MA" at -177.038,14.351 h1.52
  text "swivel/auger" at -154.284,14.351 h0.7 r90
  text "Rpi" at -113.538,13.589 h1.52 r90
  text "Coms" at -56.515,13.462 h1.52 r90
  text "5V" at -39.243,11.303 h1.52 r90
  text "5V" at -94.107,11.176 h1.52 r90
  text "12V" at -66.675,11.049 h1.52 r90
  text "stepper 1A" at -77.878,8.395 h0.5
  text "12V" at -125.095,8.255 h1.52
  text "solnoid_actuator" at -67.21,8.057 h0.5
  text "gnd" at -181.383,7.506 h0.5
  text "grip/tray_left" at -29.718,7.218 h0.7
  text "stepper 1B" at -77.878,5.728 h0.5
  text "Allen/pump_pwm" at -67.21,5.728 h0.5
  text "gnd" at -30.888,3.696 h0.5
  text "pwm" at -181.383,3.442 h0.5
  text "Allen/pump_dir" at -67.083,3.188 h0.5
  text "stepper 2A" at -77.878,3.061 h0.5
  text "swivel/auger" at -178.668,1.524 h0.7 r90
  text "dir" at -181.383,1.37 h0.5
  text "stepper 2B" at -77.878,0.648 h0.5
  text "pwm" at -30.761,-0.368 h0.5
  text "stepper + mosfets" at -85.09,-2.413 h1.52 r90
  text "dir" at -30.634,-2.567 h0.5
  text "solenoid drain" at -67.21,-4.599 h0.5
  text "bu_rpi_5" at -94.769,-6.972 h0.5
  text "solenoid drain" at -67.21,-7.012 h0.5
  text "AllenKey" at -28.448,-9.038 h0.7
  text "solenoid drain" at -67.337,-9.552 h0.5
  text "bu_rpi_4" at -94.769,-9.639 h0.5
  text "gnd" at -118.518,-10.528 h0.5
  text "AllenKey" at -4.424,-10.668 h0.7 r90
  text "gripper" at -18.394,-10.795 h0.7 r90
  text "grip/tray_left" at 8.784,-10.795 h0.7 r90
  text "grip/tray_right" at 22.373,-11.684 h0.7 r90
  text "gnd" at -180.975,-11.811 h1.52 r90
  text "bu_rpi_3" at -94.769,-12.179 h0.5
  text "gnd" at -30.634,-12.179 h0.5
  text "solenoid drain" at -67.083,-12.346 h0.5
  text "gnd" at 31.877,-12.827 h1.52
  text "pwm" at -118.518,-14.592 h0.5
  text "bu_rpi_2" at -94.769,-14.719 h0.5
  text "pump2" at -67.21,-14.719 h0.5
  text "bu_coms_10" at -39.27,-14.803 h0.5
  text "link1/spin" at -125.455,-15.621 h0.7 r90
  text "pwm" at -30.634,-16.37 h0.5
  text "dir" at -118.518,-16.918 h0.5
  text "pump2" at -79.148,-17.005 h0.5
  text "bu_stepper_3" at -91.086,-17.132 h0.5
  text "w_left_dir" at -106.961,-17.216 h0.5
  text "bu_coms_9" at -62.13,-17.216 h0.5
  text "bu_coms_8" at -51.589,-17.216 h0.5
  text "12V" at 32.131,-18.415 h1.52
  text "dir" at -30.634,-18.696 h0.5
  text "bu_stepper_4" at -91.086,-19.545 h0.5
  text "bu_coms_7" at -62.003,-19.629 h0.5
  text "pump2" at -79.148,-19.799 h0.5
  text "bu_coms_6" at -51.335,-19.883 h0.5
  text "bu_coms_5" at -61.876,-22.169 h0.5
  text "pump2" at -79.021,-22.212 h0.5
  text "UART_gps_rx" at -51.335,-22.339 h0.5
  text "UART_gps_tx" at -51.208,-24.625 h0.5
  text "bu_coms_3" at -62.003,-24.709 h0.5
  text "w_left_pwm" at -106.834,-24.752 h0.5
  text "pump1" at -79.148,-24.752 h0.5
  text "grip/tray_right" at 29.591,-24.786 h0.7
  text "w_right_pwm" at -118.137,-27.165 h0.5
  text "Rpi_left" at -155.321,-27.305 h1.52
  text "Rpi_right" at -139.065,-27.305 h1.52
  text "pump1" at -79.021,-27.292 h0.5
  text "bu_coms_1" at -62.003,-27.376 h0.5
  text "gnd" at 37.311,-28.181 h0.5
  text "pump1" at -79.148,-29.832 h0.5
  text "pwm" at -143.537,-30.467 h0.5
  text "pwm" at -140.997,-30.467 h0.5
  text "dir" at -158.396,-30.507 h0.5
  text "gnd" at -178.335,-30.594 h0.5
  text "dir" at -125.757,-30.761 h0.5
  text "pwm" at 37.311,-32.118 h0.5
  text "pump1" at -79.021,-32.372 h0.5
  text "CAN_rx" at -51.462,-32.456 h0.5
  text "gripper/tray_left_eb" at -95.42,-34.258 h0.5
  text "dir" at 37.311,-34.444 h0.5
  text "gripper/tray_left_pwm" at -79.284,-34.623 h0.5
  text "w_right_dir" at -118.264,-34.785 h0.5
  text "oe" at -11.838,-34.952 h0.5
  text "idle" at 15.086,-34.952 h0.5
  text "CAN_tx" at -51.335,-34.996 h0.5
  text "imu+nano" at -4.064,-36.957 h1.52
  text "analog4" at 13.943,-37.198 h0.5
  text "lat" at -11.838,-37.365 h0.5
  text "bu_rpi_1" at -106.453,-37.452 h0.5
  text "bu_stepper_1" at -79.021,-37.452 h0.5
  text "CANL" at -59.463,-37.492 h0.5
  text "LAN2UART_rx" at -51.462,-37.536 h0.5
  text "analog3" at 13.943,-39.865 h0.5
  text "clk" at -11.838,-39.905 h0.5
  text "LAN2UART_tx" at -51.462,-40.076 h0.5
  text "bu_stepper_2" at -78.894,-40.119 h0.5
  text "CANH" at -59.463,-40.286 h0.5
  text "ethernet_CAN" at -179.832,-41.021 h1.52
  text "analog2" at 13.943,-42.278 h0.5
  text "b2" at -11.838,-42.445 h0.5
  text "ESP_right" at -137.287,-43.688 h1.52
  text "ESP_left" at -154.94,-43.942 h1.52
  text "analog1" at 13.943,-44.691 h0.5
  text "g2" at -11.838,-44.818 h0.5
  text "Toggle modes ESP-Rpy" at -156.591,-47.117 h1.52
  text "i2c_4" at 13.943,-47.569 h0.5
  text "r2" at -11.965,-47.652 h0.5
  text "Please match the arrows while inserting" at -102.997,-47.752 h1.52
  text "i2c_sda" at 13.943,-49.982 h0.5
  text "b1" at -11.838,-50.319 h0.5
  text "Discovery_board_future" at -100.457,-52.451 h1.52
  text "g1" at -11.838,-52.438 h0.5
  text "gnd" at 13.943,-52.438 h0.5
  text "5V" at 15.086,-55.399 h0.5
  text "r1" at -11.838,-55.653 h0.5
  text "Backup_pins" at -164.211,-55.753 h1.52
  text "module ESP" at -93.726,-57.404 h1.52
  text "bu_esp_3" at -166.651,-58.407 h0.5
  text "bu_esp_10" at -152.3,-58.407 h0.5
  text "bu_rpi_5" at -181.637,-58.534 h0.5
  text "bu_coms_10" at -142.013,-58.618 h0.5
  text "uart_lan2uart_rx" at -67.112,-59.463 h0.5 r90
  text "swivel/auger_updown_dir" at -64.656,-59.463 h0.5 r90
  text "gripper/tray_left_pwm" at -108.725,-59.59 h0.5 r90
  text "CAN_tx" at -106.228,-59.59 h0.5 r90
  text "Allen/pump_pwm" at -101.105,-59.59 h0.5 r90
  text "uart_esp2esp_rx" at -69.609,-59.59 h0.5 r90
  text "LS_L2down/suitdown" at -54.412,-59.59 h0.5 r90
  text "link2/suite_dir" at -51.745,-59.59 h0.5 r90
  text "swivel/auger_updown_pwm" at -49.289,-59.59 h0.5 r90
  text "bu_esp_10" at -118.885,-59.717 h0.5 r90
  text "gripper/tray_right_pwm" at -115.837,-59.717 h0.5 r90
  text "bu_esp_8" at -113.805,-59.717 h0.5 r90
  text "bu_esp_6" at -111.265,-59.717 h0.5 r90
  text "gripper/tray_right_dir" at -103.772,-59.717 h0.5 r90
  text "link1/auger_spin_dir" at -56.909,-59.717 h0.5 r90
  text "bu_esp_9" at -152.046,-60.947 h0.5
  text "bu_coms_9" at -142.14,-61.031 h0.5
  text "bu_rpi_4" at -181.637,-61.074 h0.5
  text "bu_esp_4" at -166.651,-63.487 h0.5
  text "bu_coms_8" at -142.14,-63.571 h0.5
  text "bu_rpi_3" at -181.637,-63.614 h0.5
  text "bu_esp_8" at -152.046,-63.614 h0.5
  text "5V" at 29.21,-65.786 h1.52
  text "AI_LED Panel" at -1.143,-65.913 h1.52
  text "bu_rpi_2" at -181.637,-66.154 h0.5
  text "bu_stepper_4" at -171.858,-66.154 h0.5
  text "bu_esp_7" at -152.046,-66.154 h0.5
  text "bu_coms_7" at -142.14,-66.238 h0.5
  text "12V" at -15.367,-67.818 h1.52 r90
  text "bu_stepper_3" at -171.858,-67.932 h0.5
  text "gnd" at -11.824,-67.972 h0.5 r90
  text "bu_coms_6" at -142.14,-68.651 h0.5
  text "bu_esp_6" at -151.919,-68.821 h0.5
  text "CAN_rx" at -106.228,-68.861 h0.5 r90
  text "bu_esp_5" at -166.524,-68.948 h0.5
  text "bu_esp_9" at -118.885,-69.623 h0.5 r90
  text "bu_esp_7" at -111.265,-69.75 h0.5 r90
  text "bu_cen_1" at -61.905,-69.75 h0.5 r90
  text "gnd" at -134.379,-70.766 h0.5 r90
  text "w_right_pwm" at -46.749,-70.893 h0.5 r90
  text "bu_coms_5" at -142.14,-71.318 h0.5
  text "12V" at -129.921,-71.374 h1.52
  text "bu_cen_6" at -151.919,-71.445 h0.5
  text "gripper/tray_right_ea" at -98.692,-71.655 h0.5 r90
  text "gripper_pwm" at -96.025,-71.655 h0.5 r90
  text "gripper_eb" at -93.612,-71.655 h0.5 r90
  text "gripper/tray_right_eb" at -91.072,-71.655 h0.5 r90
  text "uart_esp2esp_rx" at -75.578,-71.655 h0.5 r90
  text "bu_esp_5" at -88.405,-71.782 h0.5 r90
  text "bu_esp_4" at -85.992,-71.782 h0.5 r90
  text "bu_esp_1" at -83.452,-71.782 h0.5 r90
  text "gripper/tray_left_eb" at -80.785,-71.782 h0.5 r90
  text "bu_esp_3" at -78.372,-71.782 h0.5 r90
  text "i2c_scl" at -44.252,-71.782 h0.5 r90
  text "uart_gps_tx" at -39.256,-71.782 h0.5 r90
  text "w_left_dir" at -31.552,-71.782 h0.5 r90
  text "LS_L1up/augerup" at -28.969,-71.782 h0.5 r90
  text "bu_cen_2" at -26.472,-71.782 h0.5 r90
  text "bu_cen_4" at -23.932,-71.782 h0.5 r90
  text "bu_cen_6" at -21.392,-71.782 h0.5 r90
  text "LS_L2up/suitup" at -51.956,-72.544 h0.5 r90
  text "uart_esp2esp_tx" at -69.609,-73.306 h0.5 r90
  text "uart_lan2uart_tx" at -66.985,-73.433 h0.5 r90
  text "link2/suite_pwm" at -49.289,-73.433 h0.5 r90
  text "bu_cen_5" at -151.919,-73.858 h0.5
  text "Solenoid actuator" at -116.305,-73.941 h0.5 r90
  text "g2" at 6.718,-74.322 h0.5 r90
  text "LS_stow/augerextra" at -64.529,-74.449 h0.5 r90
  text "g1" at 2.019,-74.449 h0.5 r90
  text "gnd" at 4.305,-74.449 h0.5 r90
  text "gnd" at 9.258,-74.449 h0.5 r90
  text "analog_2" at 11.671,-74.449 h0.5 r90
  text "analog_4" at 14.338,-74.449 h0.5 r90
  text "lat" at 17.045,-74.449 h0.5 r90
  text "gripper/tray_left_dir" at -114.059,-75.846 h0.5 r90
  text "gnd" at 21.182,-76.06 h0.5
  text "bu_cen_4" at -151.919,-76.398 h0.5
  text "bu_coms_3" at -142.14,-76.398 h0.5
  text "Central ESP" at -66.04,-76.962 h1.52
  text "bu_cen_3" at -151.919,-78.811 h0.5
  text "oe" at 21.055,-79.148 h0.5
  text "gnd" at 28.689,-80.418 h0.5 r90
  text "r1" at 1.932,-81.18 h0.5 r90
  text "b1" at 4.345,-81.307 h0.5 r90
  text "bu_cen_2" at -151.919,-81.351 h0.5
  text "bu_coms_1" at -142.14,-81.478 h0.5
  text "i2c_sda" at -44.252,-81.561 h0.5 r90
  text "r2" at 6.631,-81.561 h0.5 r90
  text "b2" at 9.298,-81.561 h0.5 r90
  text "bu_esp_2" at -83.325,-81.688 h0.5 r90
  text "bu_cen_3" at -23.932,-81.688 h0.5 r90
  text "bu_cen_5" at -21.265,-81.688 h0.5 r90
  text "clk" at 18.315,-81.942 h0.5 r90
  text "gripper_dir" at -93.612,-82.831 h0.5 r90
  text "gripper_ea" at -91.072,-82.958 h0.5 r90
  text "w_left_pwm" at -29.096,-82.958 h0.5 r90
  text "w_right_dir" at -41.796,-83.212 h0.5 r90
  text "uart_gps_rx" at -39.256,-83.339 h0.5 r90
  text "analog_1" at 12.814,-84.101 h0.5 r90
  text "Allen/pump_dir" at -96.152,-84.355 h0.5 r90
  text "analog_3" at 14.338,-84.355 h0.5 r90
  text "uart_esp2esp_tx" at -75.705,-85.117 h0.5 r90
  text "signal_pins_future" at -92.456,-85.598 h1.52
  text "link1/auger_spin_pwm" at -36.589,-87.403 h0.5 r90
  text "LS_L1down/augerdown" at -26.556,-87.403 h0.5 r90
  text "gripper/tray_left_ea" at -78.245,-87.53 h0.5 r90
  text "5V" at -169.291,-87.63 h1.52
  text "12V" at -121.031,-87.63 h1.52
  text "gnd" at -156.985,-87.657 h0.5 r90
  text "gnd" at -21.222,-87.657 h0.5 r90
  text "gnd" at -106.058,-87.784 h0.5 r90
  text "gnd" at -133.885,-89.268 h0.5
  text "w_r_dir" at 0.227,-89.987 h0.5
  text "12V" at -45.085,-90.17 h1.52
  text "5V" at 6.477,-90.17 h1.52
  text "gnd" at -58.433,-90.832 h0.5 r90
  text "12V" at -52.932,-90.832 h0.5 r90
  text "w_r_pwm" at 0.227,-91.935 h0.5
  text "bu_stepper_2" at -85.103,-91.975 h0.5 r90
  text "bu_stepper_1" at -81.547,-91.975 h0.5 r90
  text "bu_rpi_1" at -80.15,-92.102 h0.5 r90
  text "bu_esp_1" at -72.403,-92.102 h0.5 r90
  text "bu_cen_1" at -69.779,-92.102 h0.5 r90
  text "w_l_pwm" at -134.012,-93.332 h0.5
  text "bu_esp_2" at -96.039,-94.094 h0.5
  text "w_l_dir" at -133.885,-95.702 h0.5
  text "gnd" at 0.354,-96.253 h0.5
  text "w_l_pwm" at -95.531,-96.38 h0.5
  text "gnd" at 32.118,-97.69 h0.5 r90
  text "w_r_pwm" at -86.514,-98.412 h0.5
  text "LS_L1down/augerdown" at -82.196,-98.539 h0.5
  text "left_wheel" at -145.415,-98.679 h1.52 r90
  text "gnd" at -68.226,-98.666 h0.5
  text "right_wheel" at -8.509,-99.06 h1.52 r90
  text "w_l_dir" at -91.086,-99.385 h0.5
  text "w_r_dir" at -83.847,-99.639 h0.5
  text "LS_L2up/suitup" at -78.513,-99.682 h0.5
Bottom Overlay:
  drawing of 61 lines, arcs and shapes, not listed
Mechanical 15:
  lines w0.254: -183.334,-94.724 ccw(c-177.47,-94.724) -177.47,-100.588 ; -183.324,-94.724 -183.324,39.306 -183.324,45.062 cw(c-177.566,45.042) -177.546,50.8 ; -177.546,50.819 33.02,50.864 cw(c33.02,42.545) 41.339,42.545 41.339,-95.105 ; -177.47,-100.546 35.89,-100.546 ; -163.449,27.686 -161.29,27.686 ; -163.195,34.036 -162.941,34.036 ; -162.941,1.905 -162.814,1.905 ; -162.56,-4.445 -162.052,-4.445 ; 35.89,-100.59 ccw(c35.89,-95.105) 41.375,-95.105

## Text inside footprints (layer, text, board x,y; h text height)
xt90: Top Overlay "+" at -124.065,-93.18 h1.52; Top Overlay "-" at -100.065,-93.688 h1.52
xt91: Top Overlay "+" at -174.992,-93.18 h1.52; Top Overlay "-" at -150.992,-93.688 h1.52
xt92: Top Overlay "-" at -18.596,-93.688 h1.52; Top Overlay "+" at -42.596,-93.18 h1.52
xt93: Top Overlay "+" at 8.015,-93.18 h1.52; Top Overlay "-" at 32.015,-93.688 h1.52